# Altium PCB PCB_15122020_01CA.PcbDoc (part 5 of 5)
Units mm, origin at the board's own origin, x right, y up, seen from the top; angles counter-clockwise.
Board outline 139.36 x 118 mm, 4 copper layers (Top Layer, Layer 1, Layer 2, Bottom Layer), stack 1.57 mm thick; 384 components, 409 nets, 1580 pads, 1084 vias.
Unrouted connection lines stored in the file: 7.
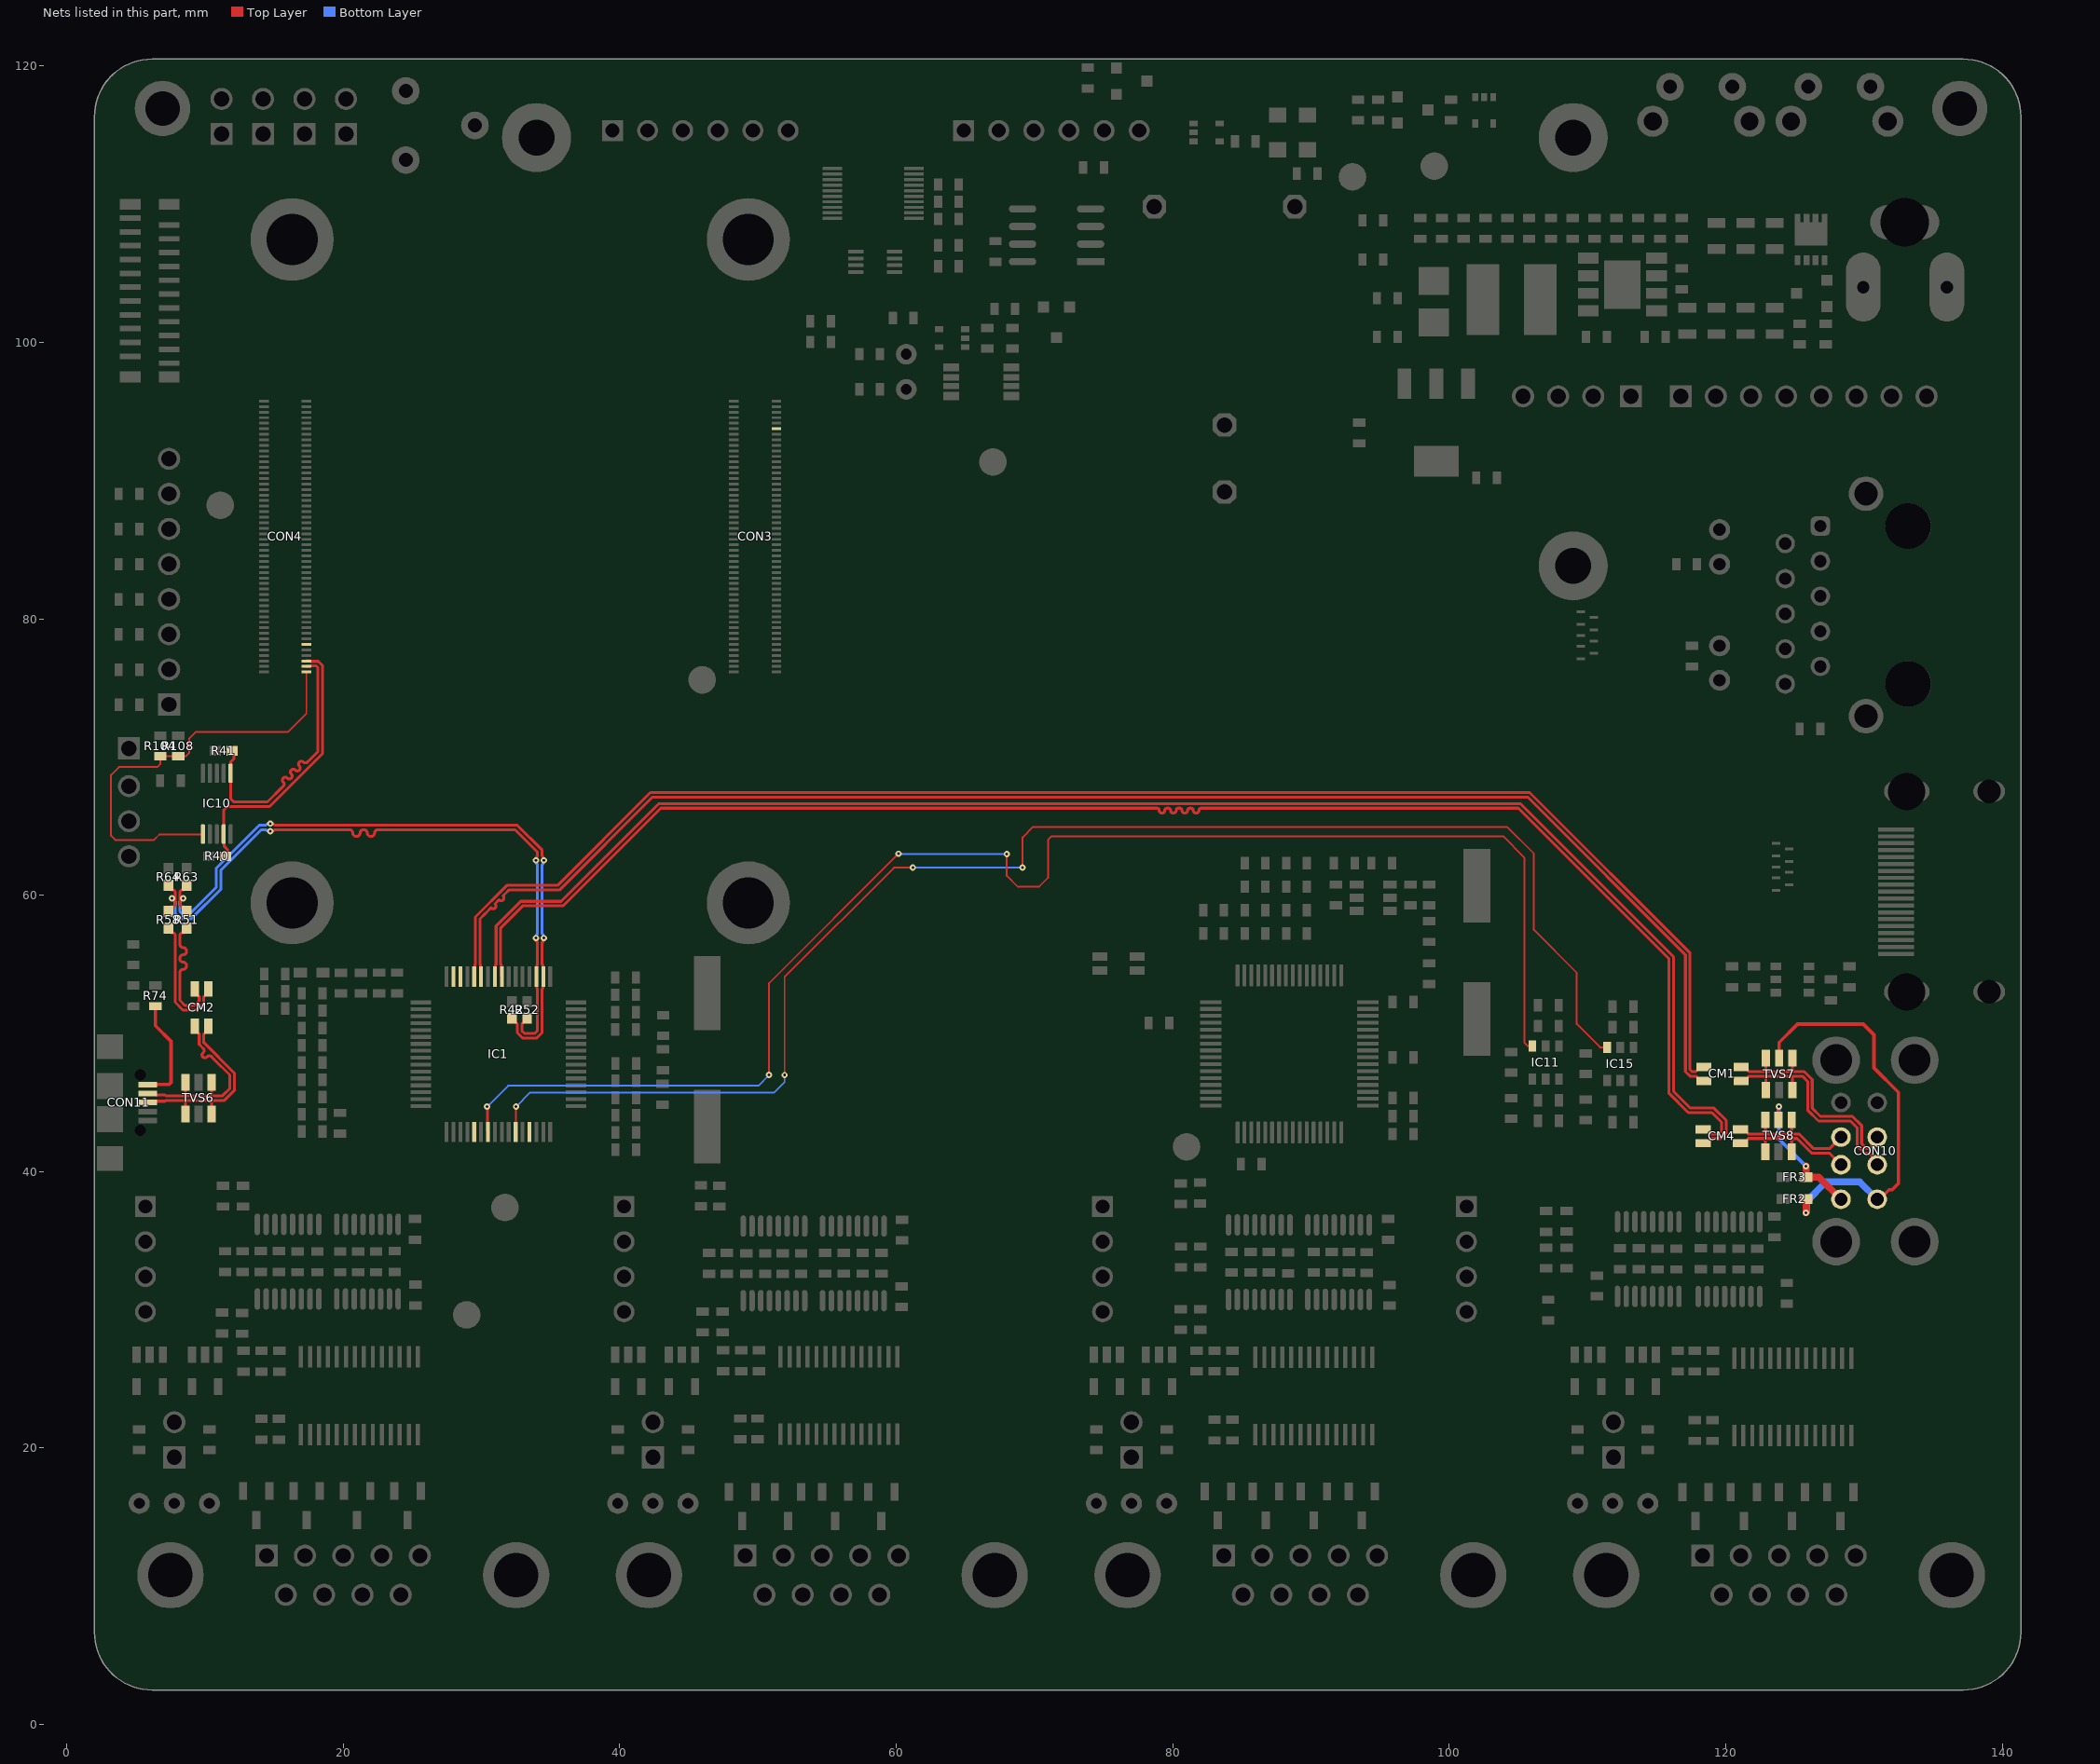
[diagram p7: the nets of this part, all layers, seen from the top]

## Via types
v1: diameter 0.46, hole 0.2, Top Layer to Bottom Layer, tented both sides, 1072 vias
v2: diameter 1.27, hole 0.711, Top Layer to Bottom Layer, tented both sides, 12 vias

## Nets (pads, with @x,y where several pads share a name; then routed paths per layer and width w, separated by ;. In a path a pad name is that pad's centre, name@x,y a point inside that pad or via, vN(x,y) a via of type N, cw(c..) or ccw(c..) an arc to the next point about the centre after c; other vN are vias at no path point) (continued)
USB_HUB_N: IC1.3 R52.1 R58.2 R64.1 | length 51.1
  Top Layer w0.206: R64.1@7.35,60.575 7.547,60.378 7.726,60.378 7.846,60.257 7.846,59.775 ; R58.2@7.5,58.975 7.35,58.975 7.547,59.172 7.726,59.172 7.846,59.293 7.846,59.775 ; v1(7.6,59.775) 7.846,59.775 ; v1(14.725,64.625) 14.774,64.674 14.974,64.674 15.04,64.739 19.9,64.739 20.163,64.739 20.452,64.739 cw(c20.452,64.503) 20.689,64.503 20.689,64.499 ccw(c20.925,64.499) 20.925,64.262 20.978,64.262 ccw(c20.978,64.499) 21.214,64.499 21.214,64.503 cw(c21.451,64.503) 21.451,64.739 21.504,64.739 cw(c21.504,64.503) 21.74,64.503 21.74,64.499 ccw(c21.977,64.499) 21.977,64.262 22.029,64.262 ccw(c22.029,64.499) 22.266,64.499 22.266,64.503 cw(c22.502,64.503) 22.502,64.739 22.75,64.739 32.436,64.739 34.055,63.12 34.055,62.84 33.989,62.774 33.989,62.574 v1(33.94,62.525) ; R52.1@33.3,51.1 33.3,51.05 33.053,50.803 33.037,50.803 32.916,50.682 32.916,50.195 33.111,50 33.855,50 34.055,50.2 34.055,53.217 34.008,53.264 34.008,54.071 IC1.3@33.971,54.108 34.008,54.145 34.008,54.952 34.055,54.999 34.055,56.585 33.989,56.651 33.989,56.851 v1(33.94,56.9)
  Bottom Layer w0.206: v1(7.6,59.775) 7.6,59.773 7.846,59.527 7.846,58.683 8.227,58.303 9.007,58.303 11.158,60.453 11.158,61.833 14.064,64.739 14.41,64.739 14.476,64.674 14.676,64.674 v1(14.725,64.625) ; v1(33.94,56.9) 33.989,56.949 33.989,57.149 34.055,57.215 34.055,62.21 33.989,62.276 33.989,62.476 v1(33.94,62.525)
USB_HUB_P: IC1.2 R42.1 R51.2 R63.1 | length 51.1
  Top Layer w0.206: v1(8.425,59.775) 8.179,59.775 ; R51.2@8.525,58.975 8.675,58.975 8.478,59.172 8.299,59.172 8.179,59.293 8.179,59.775 ; R63.1@8.675,60.575 8.478,60.378 8.299,60.378 8.179,60.257 8.179,59.775 ; v1(14.725,65.187) 14.774,65.138 14.974,65.138 15.04,65.072 32.573,65.072 34.387,63.258 34.387,62.84 34.453,62.774 34.453,62.574 v1(34.502,62.525) ; R42.1@32.2,51.1 32.2,51.05 32.447,50.803 32.463,50.803 32.584,50.682 32.584,50.057 32.973,49.667 33.993,49.667 34.387,50.062 34.387,53.217 34.434,53.264 34.434,54.071 IC1.2@34.471,54.108 34.434,54.145 34.434,54.952 34.387,54.999 34.387,56.585 34.453,56.651 34.453,56.851 v1(34.502,56.9)
  Bottom Layer w0.206: v1(8.425,59.775) 8.425,59.773 8.179,59.527 8.179,58.821 8.365,58.635 8.869,58.635 10.825,60.591 10.825,61.971 13.927,65.072 14.41,65.072 14.476,65.138 14.676,65.138 v1(14.725,65.187) ; v1(34.502,56.9) 34.453,56.949 34.453,57.149 34.387,57.215 34.387,62.21 34.453,62.276 34.453,62.476 v1(34.502,62.525)
USB_IN__N: CM2.3 R58.1 | length 9.2
  Top Layer w0.206: R58.1@7.35,57.475 7.547,57.278 7.726,57.278 7.846,57.157 7.846,52.253 8.407,51.692 9.38,51.692 9.916,52.229 9.916,52.657 10.037,52.778 10.053,52.778 10.25,52.975 CM2.3@10.25,53.225
USB_IN__P: CM2.2 R51.1 | length 9.2
  Top Layer w0.206: R51.1@8.675,57.475 8.478,57.278 8.299,57.278 8.179,57.157 8.179,56.475 8.179,56.449 ccw(c8.415,56.449) 8.415,56.212 8.419,56.212 cw(c8.419,55.976) 8.656,55.976 8.656,55.923 cw(c8.419,55.923) 8.419,55.686 8.415,55.686 ccw(c8.415,55.45) 8.179,55.45 8.179,55.397 ccw(c8.415,55.397) 8.415,55.161 8.419,55.161 cw(c8.419,54.924) 8.656,54.924 8.656,54.871 cw(c8.419,54.871) 8.419,54.635 8.415,54.635 ccw(c8.415,54.398) 8.179,54.398 8.179,54.109 8.179,54.075 8.179,52.391 8.545,52.025 9.242,52.025 9.584,52.366 9.584,52.657 9.463,52.778 9.447,52.778 9.25,52.975 CM2.2@9.25,53.225
USB_IN_N: CM2.4 CON11.3 TVS6.1 TVS6.3 | length 13.8
  Top Layer w0.206: CON11.3@6.345,45 6.442,45.097 7.104,45.097 7.165,45.159 8.575,45.159 ; TVS6.1@8.575,44.17 8.575,45.159 ; CM2.4@10.25,50.525 10.25,50.275 10.053,50.078 10.037,50.078 9.916,49.957 9.916,49.336 12.118,47.135 12.118,45.868 11.408,45.159 10.475,45.159 ; TVS6.3@10.475,44.17 10.475,45.159 ; 8.575,45.159 10.475,45.159
USB_IN_P: CM2.1 CON11.2 TVS6.4 TVS6.6 | length 13.8
  Top Layer w0.206: CON11.2@6.345,45.65 6.442,45.553 7.104,45.553 7.165,45.491 8.575,45.491 ; TVS6.6@8.575,46.47 8.575,45.491 ; CM2.1@9.25,50.525 9.25,50.275 9.447,50.078 9.463,50.078 9.584,49.957 9.584,49.198 9.729,49.053 9.875,48.908 cw(c9.729,48.762) 9.875,48.617 9.842,48.584 ccw(c9.988,48.439) 9.842,48.293 ccw(c9.988,48.439) 10.133,48.293 10.166,48.326 cw(c10.311,48.18) 10.457,48.326 10.602,48.18 10.666,48.116 11.785,46.997 11.785,46.006 11.271,45.491 10.475,45.491 ; TVS6.4@10.475,46.47 10.475,45.491 ; 8.575,45.491 10.475,45.491
USB_IN_VCC: CON11.1 R74.2 | length 7.3
  Top Layer w0.254: CON11.1@6.345,46.3 6.348,46.303 7.398,46.303 7.547,46.452 7.547,49.427 6.414,50.56 R74.2@6.414,51.975
USB_N: CON4.3 IC10.6 R41.2 | length 19.9
  Top Layer w0.206: R41.2@12.1,70.45 12.1,69.875 11.85,69.625 IC10.6@11.85,68.825 11.85,66.975 12.075,66.75 14.525,66.75 15.587,67.813 15.663,67.888 ccw(c15.518,68.034) 15.663,68.179 15.659,68.183 cw(c15.805,68.329) 15.659,68.474 cw(c15.805,68.329) 15.95,68.474 15.954,68.47 ccw(c16.1,68.616) 16.245,68.47 ccw(c16.1,68.616) 16.245,68.761 16.241,68.765 cw(c16.387,68.911) 16.241,69.056 cw(c16.387,68.911) 16.532,69.056 16.536,69.052 ccw(c16.682,69.198) 16.827,69.052 ccw(c16.682,69.198) 16.827,69.343 16.823,69.347 cw(c16.969,69.492) 16.823,69.638 cw(c16.969,69.492) 17.114,69.638 17.118,69.634 ccw(c17.264,69.78) 17.409,69.634 17.555,69.78 17.7,69.925 18.176,70.401 18.176,76.465 18.055,76.586 17.615,76.586 17.581,76.552 CON4.3@17.337,76.552
USB_OTG_ID: CON4.1 IC10.1 R104.1 R108.2 | length 31.3
  Top Layer w0.127: IC10.1@9.85,64.425 9.821,64.396 6.7,64.396 6.304,64 3.5,64 3.2,64.3 3.2,68.704 3.775,69.279 6.538,69.279 6.768,69.509 R104.1@6.768,70.05 R108.2@8.075,70.05 8.602,70.05 8.867,70.315 8.867,71.342 9.325,71.8 15.996,71.8 17.337,73.141 CON4.1@17.337,76.152
USB_P: CON4.5 IC10.4 R40.2 | length 20
  Top Layer w0.206: R40.2@11.625,62.815 11.625,63.3 11.397,63.528 11.397,64.378 IC10.4@11.35,64.425 11.35,66.162 11.605,66.417 14.663,66.417 18.508,70.263 18.508,76.603 18.193,76.919 17.615,76.919 17.581,76.952 CON4.5@17.337,76.952
USB_PORT1_EN: IC1.45
USB_PORT2__N: CM4.3 CON10.A2 TVS8.1 TVS8.3 | length 10.1
  Top Layer w0.206: CM4.3@121.074,42.064 121.324,42.064 121.521,42.261 121.521,42.277 121.641,42.397 122.874,42.397 ; TVS8.1@122.874,41.448 122.874,42.397 ; TVS8.3@124.774,41.448 124.774,42.397 ; CON10.A2@128.34,40.5 127.506,41.334 126.224,41.334 125.161,42.397 124.774,42.397 ; 122.874,42.397 124.774,42.397
USB_PORT2__P: CM4.2 CON10.A3 TVS8.4 TVS8.6 | length 10.3
  Top Layer w0.206: CM4.2@121.074,43.064 121.324,43.064 121.521,42.866 121.521,42.85 121.641,42.73 122.9,42.73 ; TVS8.6@122.874,43.748 122.874,42.756 122.9,42.73 ; TVS8.4@124.774,43.748 124.774,42.756 124.8,42.73 ; CON10.A3@128.34,42.5 127.506,41.666 126.362,41.666 125.298,42.73 124.8,42.73 ; 122.9,42.73 124.8,42.73
USB_PORT2_EN: IC1.43 IC15.3 | length 106.9
  Top Layer w0.127: IC1.43@32.471,42.881 32.486,42.895 32.486,44.686 v1(32.5,44.7) ; v1(51.925,46.986) 51.925,54.094 59.831,62 v1(61.2,62) ; v1(69.135,62) 69.135,64.183 69.9,64.948 71.452,64.948 104.184,64.948 106.118,63.014 106.118,57.495 109.229,54.384 109.229,50.677 110.912,48.994 IC15.3@111.423,48.994
  Bottom Layer w0.127: v1(32.5,44.7) 33.525,45.725 51.175,45.725 51.925,46.475 v1(51.925,46.986) ; v1(61.2,62) v1(69.135,62)
USB_PORT2_N: CM4.4 IC1.9 | length 114.4
  Top Layer w0.206: IC1.9@30.971,54.108 31.008,54.145 31.008,54.952 31.055,54.999 31.055,57.775 32.837,59.558 35.757,59.558 42.832,66.633 105.138,66.633 116.233,55.538 116.233,45.806 117.438,44.6 119.144,44.6 120.033,43.711 120.033,42.788 119.642,42.397 118.941,42.397 118.821,42.277 118.821,42.261 118.624,42.064 CM4.4@118.374,42.064
USB_PORT2_P: CM4.1 IC1.8 | length 114.4
  Top Layer w0.206: IC1.8@31.471,54.108 31.434,54.145 31.434,54.952 31.387,54.999 31.387,57.637 32.975,59.225 35.895,59.225 42.97,66.3 78.4,66.3 78.606,66.3 78.866,66.3 cw(c78.866,66.149) 79.017,66.149 ccw(c79.223,66.149) 79.223,65.943 ccw(c79.223,66.149) 79.429,66.149 cw(c79.58,66.149) 79.58,66.3 79.689,66.3 cw(c79.689,66.149) 79.84,66.149 ccw(c80.046,66.149) 80.046,65.943 ccw(c80.046,66.149) 80.252,66.149 cw(c80.403,66.149) 80.403,66.3 80.512,66.3 cw(c80.512,66.149) 80.663,66.149 ccw(c80.869,66.149) 80.869,65.943 ccw(c80.869,66.149) 81.075,66.149 cw(c81.226,66.149) 81.226,66.3 81.335,66.3 cw(c81.335,66.149) 81.486,66.149 ccw(c81.692,66.149) 81.692,65.943 ccw(c81.692,66.149) 81.898,66.149 cw(c82.049,66.149) 82.049,66.3 82.2,66.3 105,66.3 115.9,55.4 115.9,45.668 117.301,44.267 119.006,44.267 119.7,43.573 119.7,42.926 119.504,42.73 118.941,42.73 118.821,42.85 118.821,42.866 118.624,43.064 CM4.1@118.374,43.064
USB_PORT3__N: CM1.3 CON10.B2 TVS7.1 TVS7.3 | length 16.8
  Top Layer w0.206: CM1.3@121.115,46.574 121.365,46.574 121.562,46.771 121.562,46.787 121.683,46.907 122.9,46.907 ; TVS7.1@122.915,45.91 122.915,46.892 122.9,46.907 ; TVS7.3@124.815,45.91 124.815,46.892 124.8,46.907 ; CON10.B2@130.96,40.5 130.96,40.749 130.375,41.334 130.067,41.334 129.5,41.9 129.5,43.196 129.029,43.667 126.712,43.667 125.925,44.454 125.925,46.524 125.542,46.907 124.8,46.907 ; 122.9,46.907 124.8,46.907
USB_PORT3__P: CM1.2 CON10.B3 TVS7.4 TVS7.6 | length 16.7
  Top Layer w0.206: CM1.2@121.115,47.574 121.365,47.574 121.562,47.376 121.562,47.36 121.683,47.24 122.9,47.24 ; TVS7.6@122.915,48.21 122.915,47.255 122.9,47.24 ; TVS7.4@124.815,48.21 124.815,47.255 124.8,47.24 ; CON10.B3@130.96,42.5 130.96,42.251 130.375,41.666 130.205,41.666 129.833,42.038 129.833,43.334 129.167,44 126.85,44 126.258,44.592 126.258,46.662 125.68,47.24 124.8,47.24 ; 122.9,47.24 124.8,47.24
USB_PORT3_EN: IC1.39 IC11.3 | length 108.1
  Top Layer w0.127: v1(50.8,47) 50.8,53.641 v1(60.159,63) ; v1(68,62.971) 68,61.4 68.779,60.621 70.345,60.621 70.985,61.26 70.985,64 71.247,64.262 71.452,64.262 103.9,64.262 105.432,62.73 105.432,49.343 105.675,49.1 106.015,49.1 IC11.3@106.025,49.09
  Top Layer w0.206: v1(30.4,44.7) 30.436,44.664 30.436,42.917 IC1.39@30.471,42.881
  Bottom Layer w0.127: v1(30.4,44.7) 31.921,46.221 50.021,46.221 v1(50.8,47) ; v1(60.159,63) 60.173,62.985 67.985,62.985 v1(68,62.971)
USB_PORT3_N: CM1.4 IC1.11 | length 110.4
  Top Layer w0.206: IC1.11@29.971,54.108 29.934,54.145 29.934,54.952 29.887,54.999 29.887,58.287 30.25,58.65 30.395,58.795 30.686,59.086 30.694,59.078 ccw(c30.84,59.224) 30.985,59.078 ccw(c30.84,59.224) 30.985,59.369 30.977,59.377 31.268,59.668 31.276,59.66 ccw(c31.422,59.806) 31.567,59.66 ccw(c31.422,59.806) 31.567,59.951 31.559,59.959 31.712,60.112 31.975,60.375 35.638,60.375 42.363,67.1 105.675,67.1 117.087,55.688 117.087,47.239 117.419,46.907 117.847,46.907 117.968,46.787 117.968,46.771 118.165,46.574 CM1.4@118.415,46.574
USB_PORT3_P: CM1.1 IC1.12 | length 110.4
  Top Layer w0.206: IC1.12@29.471,54.108 29.508,54.145 29.508,54.952 29.555,54.999 29.555,58.425 31.837,60.708 35.5,60.708 42.225,67.433 105.813,67.433 117.42,55.826 117.42,47.376 117.557,47.24 117.832,47.24 118.165,47.574 CM1.1@118.415,47.574
USB_PORT4_EN: IC1.37
USB_PORT4_N: IC1.15
USB_PORT4_P: IC1.14
USB_PWR_2: CON10.A1 FR3.2 TVS8.5 | length 10.1
  Top Layer w0.254: TVS8.5@123.824,43.748 123.837,43.761 123.837,44.687 v1(123.85,44.7) ; v1(125.813,40.4) v1(125.813,40.4)
  Top Layer w0.5: v1(125.813,40.4) 125.813,39.601 FR3.2@125.811,39.6 126.74,39.6 CON10.A1@128.34,38
  Bottom Layer w0.254: v1(123.85,44.7) 123.85,42.363 v1(125.813,40.4)
USB_PWR_3: CON10.B1 FR2.2 TVS7.5 | length 30.4
  Top Layer w0.254: TVS7.5@123.865,48.21 123.865,49.343 125.199,50.677 129.945,50.677 130.732,49.89 130.732,47.51 132.5,45.742 132.5,39.15 132.037,38.687 131.816,38.687 131.13,38 CON10.B1@130.96,38 ; v1(125.809,37.029) v1@125.811,37.031
  Top Layer w0.5: v1(125.809,37.029) 125.809,38.018 FR2.2@125.811,38.02
  Bottom Layer w0.5: v1(125.809,37.029) 125.809,37.818 127.242,39.25 129.71,39.25 CON10.B1@130.96,38
VDAC_COMP: CON4.11
WL_nDisable: CON3.89
pads on no net: CON1.M1 CON1.M2 CON5.MH1 CON5.MH2 CON6.M1 CON6.M2 CON7.M1 CON7.M2 CON8.M1 CON8.M2 CON9.14 CON11. CON11.7 CON11.8 D2.2 F1.1 F2.1 F3.1 F4.1 F5.1 H2.1 H4.1 IC1.17 IC1.18 IC1.21 IC1.32 IC1.33 IC1.34 IC1.35 IC1.56 IC2.1 IC2.3 IC2.8 IC2.13 IC2.18 IC3.1 IC4.4 IC5.7 IC7.3 IC12.1 IC13.1 IC14A.20 IC14A.21 IC14B.20 IC14B.21 IC14C.20 IC14C.21 IC14D.20 IC14D.21 IC25.36 IC29A.1 IC29B.1 IC29C.1 IC29D.1 IC30A.1 IC30B.1 IC30C.1 IC30D.1 J15.17 J15.18 Mech1.1 Mech2.1 Mech3.1 Mech4.1 TVS6.5

## Polygon pours and split planes (outlines as drawn)
GND on Top Layer "Bottom Layer-GND" (solid, pour order 100): 2.5,91.131 2.5,116.326 cw(c6.671,116.326) 6.671,120.497 137.184,120.496 cw(c137.185,116.325) 141.356,116.326 141.356,18.558 125.696,34.218 2.5,34.218
RS232_GNDD on Top Layer "Top Layer-RS232_GND_RS232_4" (solid, pour order 84): 106.775,2.5 137.184,2.5 ccw(c137.184,6.672) 141.356,6.672 141.356,17.294 125.5,33.15 107.125,33.15 98.75,33.15 98.75,20.677 100.177,19.25 106.775,19.25
RS232_GNDC on Top Layer "Top Layer-RS232_GND_RS232_3" (solid, pour order 81): 72.425,2.5 72.425,33.15 97.75,33.15 97.75,20.3 99.8,18.25 105.775,18.25 105.775,2.5
POWER_GND on Top Layer "Top Layer-POWER_GND 1" (solid, pour order 77): 94.8,105.375 95.6,104.575 95.875,104.575 95.875,99.552 96.277,99.15 137.3,99.15 137.3,110.825 129.675,110.825 128.7,109.85 95.025,109.85 94.8,109.625
RS232_GNDB on Top Layer "Top Layer-RS232_GND_RS232_2 2" (solid, pour order 61): 37.85,2.5 37.85,33.15 71.425,33.15 71.425,2.5
RS232_GNDA on Top Layer "Top Layer-RS232_GND_RS232_1" (solid, pour order 60): 2.5,6.675 ccw(c6.672,6.675) 6.672,2.503 36.85,2.503 36.85,33.15 2.5,33.15
+3V3 on Top Layer "Top Layer-+3V3 1" (solid, pour order 86): 98.1,96.833 100,96.833 100,94.368 102.3,92.068 102.3,89.125 101.175,88 96.8,88 95.875,88.925 95.875,92.185 98.1,94.41
+5V on Top Layer "Top Layer-+5V" (solid, pour order 96): 82.775,95.5 84.983,95.5 85.002,95.518 86.52,94 97.26,94 97.45,94.19 97.45,98.35 97.3,98.5 95.075,98.5 95.075,104.45 94.95,104.575 81.275,104.575 70.15,93.45 50.975,93.45 50.975,91.25 51.9,91.25 53.625,89.525 76.8,89.525 78.525,91.25
+3V3 on Top Layer "Top Layer-+3V3" (solid, pour order 50): 54.975,99.575 56.5,99.575 57.95,101.025 57.95,103.325 57.825,103.45 55.225,103.45 54.975,103.2
POWER_GND on Top Layer "Top Layer-POWER_GND" (solid, pour order 73): 98.025,110.3
CM4_+3V3 on Top Layer "Top Layer-RS232_GND_RS232_2" (solid, pour order 69): 48.6,92.45 48.6,93.05 47.45,93.05 46.425,94.075 46.425,97.45 48.275,99.3 54.075,99.3 54.075,102.7 46.6,102.7 43.425,99.525 43.425,94.475 45.45,92.45
RS232_GNDB on Top Layer "Top Layer-RS232_GND_RS232_2 1" (solid, pour order 63): 38.725,1.475
NetIC8_8 on Top Layer "Top Layer-NetIC8_8" (solid, pour order 58): 105.425,103.475 107.475,103.475 108.25,102.7 110.825,102.7 110.825,101.85 110.15,101.85 110.15,100.651 109.899,100.4 105.425,100.4
POWER_+12V on Top Layer "Top Layer-POWER_+12V" (solid, pour order 57): 114.225,103.975 115.875,103.975 116.15,104.25 117.65,104.25 118.3,104.9 118.3,106.925 118.575,107.2 122.2,107.2 122.35,107.05 122.35,106.22 122.67,105.9 124.575,105.9 124.975,106.3 126.725,106.3 126.725,105.57 125.625,104.47 125.625,102.075 125.9,101.8 125.9,100.95 124.8,100.95 124.8,101.7 124.65,101.85 116.675,101.85 116.475,102.05 116.475,102.6 115.975,103.1 114.225,103.1
NetC8_1 on Top Layer "Top Layer-NetC8_1" (solid, pour order 55): 122.8,106.3 124.1,106.3 124.95,107.15 127.225,107.15 128.35,106.025 128.35,101.775 128.85,101.275 131.35,101.275 131.35,105.711 127.661,109.4 124.9,109.4 124.9,108.251 123.849,107.2 122.8,107.2
POWER_+5V on Top Layer "Top Layer-POWER_+5V" (solid, pour order 54): 95.866,103.65 95.866,99.959 96.35,99.475 103.45,99.475 103.675,99.7 103.675,105.75 104.65,106.725 104.65,107.8 97.45,107.8 97.45,107.2 98.025,106.625 100.3,106.625 101.175,105.75 101.175,102.825 100.9,102.55 97.65,102.55 97.3,102.9 97.3,103.375 97.025,103.65
no net on Top Layer "Top Layer-No Net" (solid, pour order 52): 51.675,91.25
GND on Bottom Layer "Bottom Layer-GND" (solid, pour order 98): 2.5,91.125 2.5,116.32 cw(c6.671,116.32) 6.671,120.491 137.184,120.49 cw(c137.185,116.319) 141.356,116.32 141.356,18.574 125.718,34.212 2.5,34.212
RS232_GNDD on Bottom Layer "Bottom Layer-RS232_GND_RS232_4" (solid, pour order 94): 106.775,2.527 137.184,2.527 ccw(c137.184,6.699) 141.356,6.699 141.356,17.184 125.362,33.177 106.775,33.177 98.775,33.175 98.75,33.15 98.75,20.7 100.2,19.25 106.775,19.25
RS232_GNDC on Bottom Layer "Bottom Layer-RS232_GND_RS232_3" (solid, pour order 82): 72.425,2.5 72.425,33.15 97.75,33.15 97.75,20.3 99.8,18.25 105.775,18.25 105.775,2.5
POWER_GND on Bottom Layer "Bottom Layer-POWER_GND" (solid, pour order 79): 95.875,99.552 96.277,99.15 137.3,99.15 137.3,110.825 129.675,110.825 128.7,109.85 95.025,109.85 94.8,109.625 94.8,105.375 95.6,104.575 95.875,104.575
RS232_GNDB on Bottom Layer "Bottom Layer-RS232_GND_RS232_2" (solid, pour order 62): 37.85,2.5 37.85,33.15 71.425,33.15 71.425,2.5
RS232_GNDA on Bottom Layer "Bottom Layer-RS232_GND_RS232_1" (solid, pour order 59): 2.5,6.675 ccw(c6.672,6.675) 6.672,2.503 36.85,2.503 36.85,33.15 2.5,33.15
RS232_GNDA on Layer 1 (split plane): 2.55,33.148 36.848,33.148 36.848,3.01 6.172,3.01 6.155,3.009 5.911,3.018 5.651,3.045 5.393,3.092 5.14,3.157 4.892,3.239 4.65,3.339 4.416,3.456 4.191,3.59 3.977,3.739 3.773,3.903 3.581,4.081 3.403,4.273 3.239,4.476 3.09,4.691 2.957,4.916 2.84,5.15 2.739,5.391 2.657,5.64 2.592,5.893 2.546,6.15 2.518,6.41 2.509,6.657 2.51,6.672 2.511,6.672 2.51,6.674 2.51,33.151
GND on Layer 1 (split plane): 137.445,119.985 137.705,119.957 137.963,119.91 138.216,119.845 138.464,119.763 138.706,119.663 138.94,119.546 139.165,119.412 139.38,119.263 139.583,119.099 139.775,118.921 139.953,118.729 140.117,118.526 140.266,118.311 140.4,118.086 140.517,117.852 140.617,117.61 140.699,117.362 140.764,117.109 140.811,116.851 140.838,116.591 140.847,116.347 140.846,116.33 140.846,19.015 132.345,27.515 129.005,30.855 125.855,34.005 125.779,34.068 125.692,34.114 125.598,34.143 125.5,34.152 2.55,34.152 2.51,34.149 2.51,116.331 2.509,116.348 2.518,116.592 2.545,116.852 2.592,117.109 2.657,117.363 2.739,117.611 2.839,117.852 2.956,118.086 3.09,118.311 3.239,118.525 3.403,118.729 3.581,118.92 3.772,119.098 3.976,119.262 4.19,119.411 4.415,119.545 4.649,119.662 4.89,119.762 5.138,119.844 5.392,119.909 5.649,119.955 5.909,119.983 6.146,119.992 6.17,119.99 71.135,119.99 137.184,119.99 137.186,119.99 137.188,119.99 137.217,119.993
RS232_GNDD on Layer 1 (split plane): 128.295,30.145 131.635,26.805 140.846,17.594 140.846,6.672 140.847,6.655 140.838,6.411 140.811,6.151 140.764,5.893 140.699,5.64 140.617,5.392 140.517,5.15 140.4,4.916 140.266,4.691 140.117,4.476 139.953,4.273 139.775,4.081 139.583,3.903 139.38,3.739 139.165,3.59 138.94,3.456 138.706,3.339 138.464,3.239 138.216,3.157 137.963,3.092 137.705,3.045 137.445,3.018 137.201,3.009 137.184,3.01 106.777,3.01 106.777,18.75 106.768,18.848 106.739,18.942 106.693,19.029 106.63,19.105 106.554,19.168 106.467,19.214 106.373,19.243 106.275,19.252 100.208,19.252 98.752,20.708 98.752,33.148 125.292,33.148
RS232_GNDB on Layer 1 (split plane): 71.425,3.01 71.135,3.01 37.852,3.01 37.852,33.148 71.425,33.148
RS232_GNDC on Layer 1 (split plane): 97.748,20.5 97.757,20.402 97.786,20.308 97.832,20.221 97.895,20.145 99.645,18.395 99.721,18.332 99.808,18.286 99.902,18.257 100,18.248 105.773,18.248 105.773,3.01 72.43,3.01 72.43,33.148 97.748,33.148
RS232_+5VA on Layer 2 (split plane): 36.848,3.01 6.172,3.01 6.155,3.009 5.911,3.018 5.651,3.045 5.393,3.092 5.14,3.157 4.892,3.239 4.65,3.339 4.416,3.456 4.191,3.59 3.977,3.739 3.773,3.903 3.581,4.081 3.403,4.273 3.239,4.476 3.09,4.691 2.957,4.916 2.84,5.15 2.739,5.391 2.657,5.64 2.592,5.893 2.546,6.15 2.518,6.41 2.509,6.657 2.51,6.672 2.511,6.672 2.51,6.674 2.51,33.148 36.848,33.148
+3V3 on Layer 2 (split plane): 200 vertices, not listed, extent 2.509,19.025 140.847,119.993
GND on Layer 2 (split plane): 26.048,104.992 26.048,85.45 26.057,85.352 26.086,85.258 26.132,85.171 26.195,85.095 30.645,80.645 30.721,80.582 30.808,80.536 30.902,80.507 31,80.498 58.517,80.498 59.998,79.017 59.998,74.049 58.451,72.502 24.883,72.502 10.102,87.283 10.102,92.025 10.093,92.123 10.064,92.217 10.018,92.304 9.955,92.38 7.48,94.855 7.404,94.918 7.317,94.964 7.223,94.993 7.125,95.002 2.51,95.002 2.51,112.998 18.042,112.998
+5V on Layer 2 (split plane): 93.748,85.475 93.757,85.377 93.786,85.283 93.832,85.196 93.895,85.12 109.645,69.37 113.973,65.042 113.973,49.883 111.345,47.255 109.645,45.555 109.582,45.479 109.536,45.392 109.507,45.298 109.498,45.2 109.498,37.7 109.498,36.05 109.498,34.152 106.275,34.152 98.25,34.152 71.928,34.152 37.35,34.152 2.51,34.152 2.51,35.498 102.5,35.498 102.598,35.507 102.692,35.536 102.779,35.582 102.855,35.645 102.918,35.721 102.964,35.808 102.993,35.902 103.002,36 103.002,45.192 107.255,49.445 107.318,49.521 107.364,49.608 107.393,49.702 107.402,49.8 107.402,62.1 107.393,62.198 107.364,62.292 107.318,62.379 107.255,62.455 102.993,66.717 102.993,66.723 102.964,66.817 102.918,66.904 102.855,66.98 86.97,82.866 86.97,104.398 93.748,104.398
RS232_+5VB on Layer 2 (split plane): 71.425,3.01 71.135,3.01 37.852,3.01 37.852,33.148 71.425,33.148
RS232_+5VD on Layer 2 (split plane): 128.305,30.145 131.645,26.805 140.846,17.604 140.846,6.672 140.847,6.655 140.838,6.411 140.811,6.151 140.764,5.893 140.699,5.64 140.617,5.392 140.517,5.15 140.4,4.916 140.266,4.691 140.117,4.476 139.953,4.273 139.775,4.081 139.583,3.903 139.38,3.739 139.165,3.59 138.94,3.456 138.706,3.339 138.464,3.239 138.216,3.157 137.963,3.092 137.705,3.045 137.445,3.018 137.201,3.009 137.184,3.01 106.777,3.01 106.777,18.75 106.768,18.848 106.739,18.942 106.693,19.029 106.63,19.105 106.554,19.168 106.467,19.214 106.373,19.243 106.275,19.252 100.208,19.252 98.752,20.708 98.752,33.148 106.275,33.148 125.302,33.148
GND on Layer 2 (split plane): 18.062,65.293 18.093,65.269 18.109,65.263 18.13,65.254 18.169,65.249 34.137,65.249 36.449,62.937 36.449,57.463 34.137,55.151 12.263,55.151 10.807,56.607 10.776,56.631 10.761,56.637 10.739,56.646 10.7,56.651 2.51,56.651 2.51,69.149 14.206,69.149
RS232_+5VC on Layer 2 (split plane): 97.748,20.5 97.757,20.402 97.786,20.308 97.832,20.221 97.895,20.145 99.645,18.395 99.721,18.332 99.808,18.286 99.902,18.257 100,18.248 105.773,18.248 105.773,3.01 72.43,3.01 72.43,33.148 97.748,33.148

## Keep-outs
Keep-Out Layer:
  lines w0.1: 6.173,120.5 71.138,120.5 72.724,120.5 137.187,120.5 ; 6.173,120.501 ccw(c6.173,116.331) 2.003,116.331 2.003,92.721 2.003,91.135 2.003,32.721 2.003,31.135 2.003,6.672 ccw(c6.175,6.672) 6.175,2.5 71.138,2.5 72.724,2.5 137.187,2.5 ccw(c137.187,6.672) 141.359,6.672 141.359,31.135 ; 137.187,120.502 cw(c137.187,116.33) 141.359,116.33 141.359,92.721 141.359,91.135 141.359,32.721 141.359,31.135 ; 141.359,22.492 141.359,31.135

## Other copper
Bottom Layer:
  text "DESIGNED BY EXOPROM / '.pDocumentNumber'" at 137.45,22.95 h0.9 r270
Layer 2 (plane layer: these items are gaps in the copper):
  lines w0.3: 2,56.5 10.7,56.5 12.2,55 34.2,55 36.6,57.4 36.6,63 34.2,65.4 18.169,65.4 14.269,69.3 2,69.3
  lines w1: 2,33.65 106.275,33.65 125.25,33.65 125.51,33.65 128.66,30.5 132,27.16 141.37,17.789 ; 2,36 102.5,36 102.5,45.4 106.9,49.8 106.9,62.1 102.5,66.5 ; 2,94.5 7.125,94.5 9.6,92.025 9.6,87.075 24.675,72 58.659,72 60.5,73.841 60.5,79.225 58.725,81 31,81 26.55,85.45 26.55,105.2 18.25,113.5 2,113.5 ; 37.35,2.5 37.35,33.65 ; 71.928,2.5 71.928,33.65 ; 98.25,33.65 98.25,20.5 100,18.75 106.275,18.75 106.275,2.5 ; 102.5,66.625 86.467,82.658 86.467,104.9 94.25,104.9 94.25,85.475 110,69.725 114.475,65.25 114.475,49.675 111.7,46.9 110,45.2 110,36.05 110.05,36 ; 110,37.7 110,33.75 110.1,33.65
Layer 1 (plane layer: these items are gaps in the copper):
  lines w1: 2.55,33.65 106.275,33.65 125.5,33.65 128.65,30.5 131.99,27.16 141.356,17.794 141.356,14.75 ; 37.35,2.5 37.35,33.65 ; 71.928,2.5 71.928,33.65 ; 98.25,33.65 98.25,20.5 100,18.75 106.275,18.75 106.275,2.5

## Silkscreen, mask and mechanical layers (free items; w line width, h text height)
Bottom Solder:
  text "DESIGNED BY EXOPROM / '.pDocumentNumber'" at 137.45,22.95 h0.9 r270
TopYasak:
  drawing of 174 lines, arcs and shapes, not listed
TopÞekil:
  lines w0.1: 2,6.672 2,31.135 2,32.721 2,91.135 2,92.721 2,116.331 cw(c6.17,116.331) 6.17,120.501 ; 2,6.672 ccw(c6.172,6.672) 6.172,2.5 71.135,2.5 72.721,2.5 137.184,2.5 ccw(c137.184,6.672) 141.356,6.672 141.356,31.135 ; 6.17,120.5 71.135,120.5 72.721,120.5 137.184,120.5 ; 137.184,120.502 cw(c137.184,116.33) 141.356,116.33 141.356,92.721 141.356,91.135 141.356,32.721 141.356,31.135 ; 141.356,22.492 141.356,31.135
Mechanical 24:
  lines w0.127: -122.708,-10.133 -117.628,-10.133 ; -122.708,60.352 -117.628,60.352 ; -122.708,130.837 -117.628,130.837 ; -117.628,-71.626 265.912,-71.626 ; -117.628,-45.058 -117.628,-75.538 ; -73.432,-80.618 -73.432,-75.538 ; -73.432,196.242 -73.432,201.322 ; -24.283,-80.618 -24.283,-75.538 ; -24.283,196.242 -24.283,201.322 ; -3.328,-75.538 32.232,-75.538 ; 7.493,8.001 138.227,8.001 ; 7.493,14.848 138.143,14.848 ; 7.493,22.836 138.227,22.836 ; 7.493,30.698 138.227,30.698 ; 7.493,46.563 138.227,46.563 ; 7.493,54.509 138.227,54.509 ; 7.493,61.357 138.143,61.357 ; 7.493,69.345 138.227,69.345 ; 7.493,77.206 138.227,77.206 ; 7.493,85.11 138.227,85.11 ; 7.493,92.042 138.227,92.042 ; 7.493,98.973 138.227,98.973 ; 7.493,105.468 138.176,105.468 ; 7.493,112.033 138.227,112.033 ; 17.13,142.928 17.147,142.945 128.677,142.945 ; 21.766,0.055 21.766,38.711 ; 21.766,38.66 21.766,123.868 ; 24.866,-80.618 24.866,-75.538 ; 24.866,196.242 24.866,201.322 ; 47.229,0.053 47.229,38.711 ; 47.229,38.66 47.229,123.868 ; 54.315,132.336 54.315,154.765 54.33,154.78 ; 74.142,-80.618 74.142,-75.538 ; 74.142,196.242 74.142,201.322 ; 91.516,132.336 91.516,154.78 ; 101.066,0.055 101.066,38.381 101.066,38.686 ; 101.067,38.717 101.067,123.952 ; 123.291,-80.618 123.291,-75.538 ; 123.291,196.242 123.291,201.322 ; 172.44,-80.618 172.44,-75.538 ; 172.44,196.242 172.44,201.322 ; 221.716,-80.618 221.716,-75.538 ; 221.716,196.242 221.716,201.322 ; 265.912,-45.058 265.912,-75.538 ; 265.912,-10.133 270.992,-10.133 ; 265.912,60.352 270.992,60.352 ; 265.912,130.837 270.992,130.837 ; -117.628,-75.538 265.912,-75.538 ; -117.628,-75.538 -117.628,196.242 265.912,196.242 265.912,-75.538 ; 7.493,38.66 138.227,38.66 ; 7.493,38.66 7.493,123.952 138.227,123.952 138.227,38.66 ; 7.493,38.66 7.493,0.055 138.227,0.055 138.227,38.66 ; -122.708,-80.618 270.992,-80.618 270.992,201.322 -122.708,201.322 -122.708,-80.618 ; 17.13,132.336 17.13,154.78 128.677,154.78 128.677,132.336 17.13,132.336
  text "1" at -98.671,197.893 h1.78
  text "2" at -49.632,197.893 h1.78
  text "3" at -0.373,197.893 h1.78
  text "4" at 48.92,197.893 h1.78
  text "5" at 98.196,197.893 h1.78
  text "6" at 147.218,197.893 h1.78
  text "7" at 196.748,197.893 h1.78
  text "8" at 245.77,197.893 h1.78
  text "A" at -120.803,163.908 h1.78
  text "A" at 267.817,163.908 h1.78
  text ".DocumentName" at -59.005,159.997 h4.57
  text "ONAYLAYAN" at 102.438,148.16 h2.03
  text "KONTROL EDEN" at 62.052,147.982 h2.03
  text "HAZIRLAYAN" at 26.136,147.931 h2.03
  text "DONANIM MUHENDISI /  / .pPreparedBy" at 18.933,134.165 h1.52
  text "KALITE KONTROL SORUMLUSU /  / .FO_CheckedBy" at 54.787,134.165 h1.52
  text "PROJE YONETICISI /  / .FO_ApprovedBy" at 93.475,132.8 h1.52
  text "DEGISIKLIK KAYITLARI" at 55.803,124.741 h2.03
  text "Yayin Tarihi" at 23.698,117.07 h2.03
  text "Aciklama" at 66.065,117.07 h2.03
  text "Revize Eden" at 109.601,117.07 h2.03
  text "Rev. / Kodu" at 9.804,115.673 h2.03
  text "+" at 8.89,108.18 h1.52
  text "01.09.2021" at 23.698,108.18 h1.52
  text "ilk yayin" at 48.742,108.18 h1.52
  text "B" at -120.803,93.296 h1.78
  text "B" at 267.817,93.296 h1.78
  text "C" at -120.803,22.684 h1.78
  text "C" at 267.817,22.684 h1.78
  text "Rev kayitlari 01,02,03,... seklinde devam edecektir." at 7.645,-2.513 h1.52
  text "D" at -120.803,-47.42 h1.78
  text "D" at 267.944,-47.471 h1.78
  text "1" at -98.671,-78.967 h1.78
  text "2" at -49.632,-78.967 h1.78
  text "3" at -0.373,-78.967 h1.78
  text "4" at 48.92,-78.967 h1.78
  text "5" at 98.196,-78.967 h1.78
  text "6" at 147.218,-78.967 h1.78
  text "7" at 196.748,-78.967 h1.78
  text "8" at 245.77,-78.967 h1.78
Mechanical 25:
  rectangle: -116.078,-47.623 -109.957,-46.556
  lines w0.127: -109.271,-45.868 -109.246,-45.843
  lines w0.254: -116.68,-48.408 -116.68,-45.868 -109.271,-45.868 -109.271,-48.408 -116.68,-48.408
  text "Yesil ile tarali alanlar; araldite uygulanmasi gereken alanlardir." at -107.544,-48.081 h1.52
Mechanical 26:
  region: 264.363,-46.556 258.241,-46.556 258.241,-47.623 264.363,-47.623
  lines w0.127: 257.53,-45.843 257.555,-45.868
  lines w0.254: 257.555,-48.408 264.965,-48.408 264.965,-45.868 257.555,-45.868 257.555,-48.408
  text "Yesil ile tarali alanlar; araldite uygulanmasi gereken alanlardir." at 255.828,-48.081 h1.52
Mechanical 27:
  lines w0.042: 156.693,-69.052 265.897,-69.052 ; 156.693,-66.516 265.897,-66.516 ; 156.693,-63.98 222.749,-63.98 265.861,-63.98 ; 166.855,-71.588 166.855,-63.98 ; 189.721,-71.588 189.721,-51.301 ; 189.721,-61.444 265.897,-61.444 ; 189.721,-56.372 265.897,-56.372 ; 199.883,-71.588 199.883,-61.444 ; 222.749,-71.588 222.749,-56.372 ; 241.761,-71.588 241.761,-61.444 ; 156.693,-51.301 265.897,-51.301 156.693,-51.301 ; 156.693,-51.301 156.693,-71.588 156.693,-51.301
  lines w0.127: -122.708,-10.133 -117.628,-10.133 ; -122.708,60.352 -117.628,60.352 ; -122.708,130.837 -117.628,130.837 ; -117.628,-71.626 265.912,-71.626 ; -117.628,-45.058 -117.628,-75.538 ; -109.271,-59.458 -109.246,-59.433 ; -73.432,-80.618 -73.432,-75.538 ; -73.432,196.242 -73.432,201.322 ; -24.283,-80.618 -24.283,-75.538 ; -24.283,196.242 -24.283,201.322 ; -3.328,-75.538 32.232,-75.538 ; 24.866,-80.618 24.866,-75.538 ; 24.866,196.242 24.866,201.322 ; 74.142,-80.618 74.142,-75.538 ; 74.142,196.242 74.142,201.322 ; 123.291,-80.618 123.291,-75.538 ; 123.291,196.242 123.291,201.322 ; 172.44,-80.618 172.44,-75.538 ; 172.44,196.242 172.44,201.322 ; 221.716,-80.618 221.716,-75.538 ; 221.716,196.242 221.716,201.322 ; 265.912,-10.133 270.992,-10.133 ; 265.912,60.352 270.992,60.352 ; 265.912,130.837 270.992,130.837 ; -117.628,-75.538 -117.628,196.242 265.912,196.242 265.912,-75.538 -117.628,-75.538 ; -122.708,-80.618 -122.708,201.322 270.992,201.322 270.992,-80.618 -122.708,-80.618
  lines w0.254: -116.68,-66.52 -109.271,-66.52 -109.271,-63.98 -116.68,-63.98 -116.68,-66.52 ; -116.68,-61.998 -109.271,-61.998 -109.271,-59.458 -116.68,-59.458 -116.68,-61.998
  text "1" at -98.671,197.893 h1.78
  text "2" at -49.632,197.893 h1.78
  text "3" at -0.373,197.893 h1.78
  text "4" at 48.92,197.893 h1.78
  text "5" at 98.196,197.893 h1.78
  text "6" at 147.218,197.893 h1.78
  text "7" at 196.748,197.893 h1.78
  text "8" at 245.77,197.893 h1.78
  text "A" at -120.803,163.908 h1.78
  text "A" at 267.817,163.908 h1.78
  text "B" at -120.803,93.296 h1.78
  text "B" at 267.817,93.296 h1.78
  text "C" at -120.803,22.684 h1.78
  text "C" at 267.817,22.684 h1.78
  text "D" at -120.803,-47.42 h1.78
  text "D" at 267.944,-47.471 h1.78
  text ".pPBADescription" at 190.093,-55.269 h3.81
  text ".DocumentName" at 191.744,-59.46 h1.52
  text "FO_.pDocumentNumber _.VariantName" at 223.24,-59.841 h2.54
  text "Kirmizi file ile tarali olan  malzemeler dizilmeyecektir (NC)." at -107.493,-61.314 h1.52
  text "NOT1" at -115.918,-61.49 h1.52
  text "PBA Rev" at 235.432,-63.016 h1.52
  text "FO Doc.Rev" at 190.838,-63.092 h1.52
  text ".pPBARevision.VariantName" at 242.163,-63.27 h1.52
  text ".pFoRevision" at 200.744,-63.313 h1.52
  text "FO Tarih/Date" at 190.838,-65.569 h1.52
  text "Scale" at 236.575,-65.683 h1.52
  text "Yapilmasi gereken islemlerin detaylari icin MA_PBA_.pProjectCode _.pPBACode _.pPBARevision.VariantName dokumanina bakiniz." at -107.472,-65.759 h1.52
  text ".Print_Scale" at 242.163,-65.81 h1.52
  text "Haz/Prep" at 156.819,-65.835 h1.52
  text ".pFoDate" at 200.756,-65.849 h1.52
  text ".pPreparedBy" at 167.106,-65.937 h1.52
  text "NOT2" at -116.052,-66.064 h1.52
  text "Ortam/Env" at 190.847,-68.087 h1.52
  text ".pDesignEnvironment" at 200.753,-68.214 h1.52
  text "Kont/Check" at 156.819,-68.35 h1.52
  text ".FO_CheckedBy" at 167.106,-68.35 h1.52
  text "Onay/Appr" at 156.819,-70.864 h1.52
  text "SAYFA : .Plot_File_Name" at -116.254,-70.936 h1.52
  text ".FO_ApprovedBy" at 167.106,-71.017 h1.52
  text "1" at -98.671,-78.967 h1.78
  text "2" at -49.632,-78.967 h1.78
  text "3" at -0.373,-78.967 h1.78
  text "4" at 48.92,-78.967 h1.78
  text "5" at 98.196,-78.967 h1.78
  text "6" at 147.218,-78.967 h1.78
  text "7" at 196.748,-78.967 h1.78
  text "8" at 245.77,-78.967 h1.78
Mechanical 28:
  lines w0.042: -117.613,-69.052 -8.408,-69.052 ; -117.613,-66.516 -8.408,-66.516 ; -117.613,-61.444 -41.436,-61.444 ; -117.613,-56.372 -41.436,-56.372 ; -117.576,-63.98 -74.464,-63.98 -8.408,-63.98 ; -93.477,-71.588 -93.477,-61.444 ; -74.464,-71.588 -74.464,-56.372 ; -51.599,-71.588 -51.599,-61.444 ; -41.436,-71.588 -41.436,-51.301 ; -18.571,-71.588 -18.571,-63.98 ; -8.408,-51.301 -117.613,-51.301 -8.408,-51.301 ; -8.408,-51.301 -8.408,-71.588 -8.408,-51.301
  lines w0.127: -122.708,-10.133 -117.628,-10.133 ; -122.708,60.352 -117.628,60.352 ; -122.708,130.837 -117.628,130.837 ; -117.628,-71.626 265.912,-71.626 ; -73.432,-80.618 -73.432,-75.538 ; -73.432,196.242 -73.432,201.322 ; -24.156,-80.618 -24.156,-75.538 ; -24.156,196.242 -24.156,201.322 ; 24.993,-80.618 24.993,-75.538 ; 24.993,196.242 24.993,201.322 ; 74.142,-80.618 74.142,-75.538 ; 74.142,196.242 74.142,201.322 ; 123.418,-80.618 123.418,-75.538 ; 123.418,196.242 123.418,201.322 ; 172.567,-80.618 172.567,-75.538 ; 172.567,196.242 172.567,201.322 ; 221.716,-80.618 221.716,-75.538 ; 221.716,196.242 221.716,201.322 ; 257.53,-59.433 257.555,-59.458 ; 257.53,-50.365 257.555,-50.39 ; 265.912,-10.133 270.992,-10.133 ; 265.912,60.352 270.992,60.352 ; 265.912,130.837 270.992,130.837 ; -122.708,-80.618 270.992,-80.618 270.992,201.322 -122.708,201.322 -122.708,-80.618 ; -117.628,-75.538 265.912,-75.538 265.912,196.242 -117.628,196.242 -117.628,-75.538
  lines w0.254: 257.555,-66.52 264.965,-66.52 264.965,-63.98 257.555,-63.98 257.555,-66.52 ; 257.555,-61.998 264.965,-61.998 264.965,-59.458 257.555,-59.458 257.555,-61.998
  text "8" at -97.486,197.893 h1.78
  text "7" at -48.464,197.893 h1.78
  text "6" at 1.066,197.893 h1.78
  text "5" at 50.088,197.893 h1.78
  text "4" at 99.364,197.893 h1.78
  text "3" at 148.657,197.893 h1.78
  text "2" at 197.916,197.893 h1.78
  text "1" at 246.955,197.893 h1.78
  text "A" at -119.533,163.908 h1.78
  text "A" at 269.087,163.908 h1.78
  text "B" at -119.533,93.296 h1.78
  text "B" at 269.087,93.296 h1.78
  text "C" at -119.533,22.684 h1.78
  text "C" at 269.087,22.684 h1.78
  text "D" at 269.087,-47.42 h1.78
  text "D" at -119.66,-47.471 h1.78
  text ".pPBADescription" at -41.809,-55.269 h3.81
  text ".DocumentName" at -43.46,-59.46 h1.52
  text "FO_.pDocumentNumber _.VariantName" at -74.956,-59.841 h2.54
  text "Kirmizi file ile tarali olan  malzemeler dizilmeyecektir (NC)." at 255.778,-61.314 h1.52
  text "NOT1" at 264.203,-61.49 h1.52
  text "PBA Rev" at -87.148,-63.016 h1.52
  text "FO Doc.Rev" at -42.554,-63.092 h1.52
  text ".pPBARevision.VariantName" at -93.879,-63.27 h1.52
  text ".pFoRevision" at -52.46,-63.313 h1.52
  text "FO Tarih/Date" at -42.554,-65.569 h1.52
  text "Scale" at -88.291,-65.683 h1.52
  text "Yapilmasi gereken islemlerin detaylari icin MA_PBA_.pProjectCode _.pPBACode _.pPBARevision.VariantName dokumanina bakiniz." at 255.756,-65.759 h1.52
  text ".Print_Scale" at -93.879,-65.81 h1.52
  text "Haz/Prep" at -8.535,-65.835 h1.52
  text ".pFoDate" at -52.471,-65.849 h1.52
  text ".pPreparedBy" at -18.822,-65.937 h1.52
  text "NOT2" at 264.337,-66.064 h1.52
  text "Ortam/Env" at -42.562,-68.087 h1.52
  text ".pDesignEnvironment" at -52.468,-68.214 h1.52
  text ".FO_CheckedBy" at -18.822,-68.35 h1.52
  text "Kont/Check" at -8.535,-68.35 h1.52
  text "Onay/Appr" at -8.535,-70.864 h1.52
  text "SAYFA : .Plot_File_Name" at 264.539,-70.936 h1.52
  text ".FO_ApprovedBy" at -18.822,-71.017 h1.52
  text "8" at -97.486,-78.967 h1.78
  text "7" at -48.464,-78.967 h1.78
  text "6" at 1.066,-78.967 h1.78
  text "5" at 50.088,-78.967 h1.78
  text "4" at 99.364,-78.967 h1.78
  text "3" at 148.657,-78.967 h1.78
  text "2" at 197.916,-78.967 h1.78
  text "1" at 246.955,-78.967 h1.78
Mechanical 29:
  rectangle: -114.199,-57.224 -112.167,-55.192
  lines w0.254: -116.68,-57.476 -116.68,-54.936 -109.271,-54.936 -109.271,-57.476 -116.68,-57.476
  text "Turuncu ile tarali alanlar; ecobond uygulanmasi gereken alanlari gostermektedir." at -107.671,-57.631 h1.52
Mechanical 30:
  rectangle: 260.451,-57.224 262.483,-55.192
  lines w0.254: 257.555,-57.476 257.555,-54.936 264.965,-54.936 264.965,-57.476 257.555,-57.476
  text "Turuncu ile tarali alanlar; ecobond uygulanmasi gereken alanlari gostermektedir." at 255.955,-57.631 h1.52
Mechanical 31:
  rectangle: -114.605,-52.602 -111.938,-50.697
  lines w0.127: -109.271,-50.39 -109.246,-50.365
  lines w0.254: -116.68,-52.93 -109.271,-52.93 -109.271,-50.39 -116.68,-50.39 -116.68,-52.93
  text "Mavi ile tarali alanlar; konformal kaplama sirasinda maskeleme uygulanmasi gereken alanlari gostermektedir." at -107.519,-52.475 h1.52
Mechanical 32:
  region: 262.89,-50.697 260.223,-50.697 260.223,-52.602 262.89,-52.602
  lines w0.254: 257.555,-52.93 257.555,-50.39 264.965,-50.39 264.965,-52.93 257.555,-52.93
  text "Mavi ile tarali alanlar; konformal kaplama sirasinda maskeleme uygulanmasi gereken alanlari gostermektedir." at 255.803,-52.475 h1.52
Mechanical 33:
  lines w0.254: -110.041,-42.621 -110.036,-42.616 ; -116.68,-43.886 -109.271,-43.886 -109.271,-41.346 -116.68,-41.346 -116.68,-43.886
  lines w0.508: -115.951,-42.621 -110.041,-42.621
  text "Mor ile gosterilen hatlar; kablo ile atlama uygulanan hatlardir." at -107.544,-43.559 h1.52
Mechanical 34:
  lines w0.254: 258.32,-42.616 258.325,-42.621 ; 257.555,-43.886 264.965,-43.886 264.965,-41.346 257.555,-41.346 257.555,-43.886
  lines w0.508: 258.325,-42.621 264.236,-42.621
  text "Mor ile gösterilen hatlar; kablo ile atlama uygulanan hatlardir." at 255.981,-44.219 h1.52

## Text inside footprints (layer, text, board x,y; h text height)
CON1: Top Overlay "9" at 25.4,8.9 h1.02; BottomÞekil "PCB Edge" at 16.6,-0.32 h1.02
CON6: Top Overlay "9" at 60.019,8.9 h1.02; BottomÞekil "PCB Edge" at 51.219,-0.32 h1.02
CON7: Top Overlay "9" at 94.637,8.9 h1.02; BottomÞekil "PCB Edge" at 85.837,-0.32 h1.02
CON8: Top Overlay "9" at 129.256,8.9 h1.02; BottomÞekil "PCB Edge" at 120.456,-0.32 h1.02
J3: Top Overlay "1" at 5.7,73.68 h1.02 r90; Top Overlay "8" at 5.7,91.2 h1.02 r90
J4: Top Overlay "8" at 134.15,97.8 h1.02; Top Overlay "1" at 116.63,97.8 h1.02
J15: Top Overlay "22P" at 7.5,96.645 h1.02 r270